# KiCad board leafony-az01c-panelized.kicad_pcb (continued)
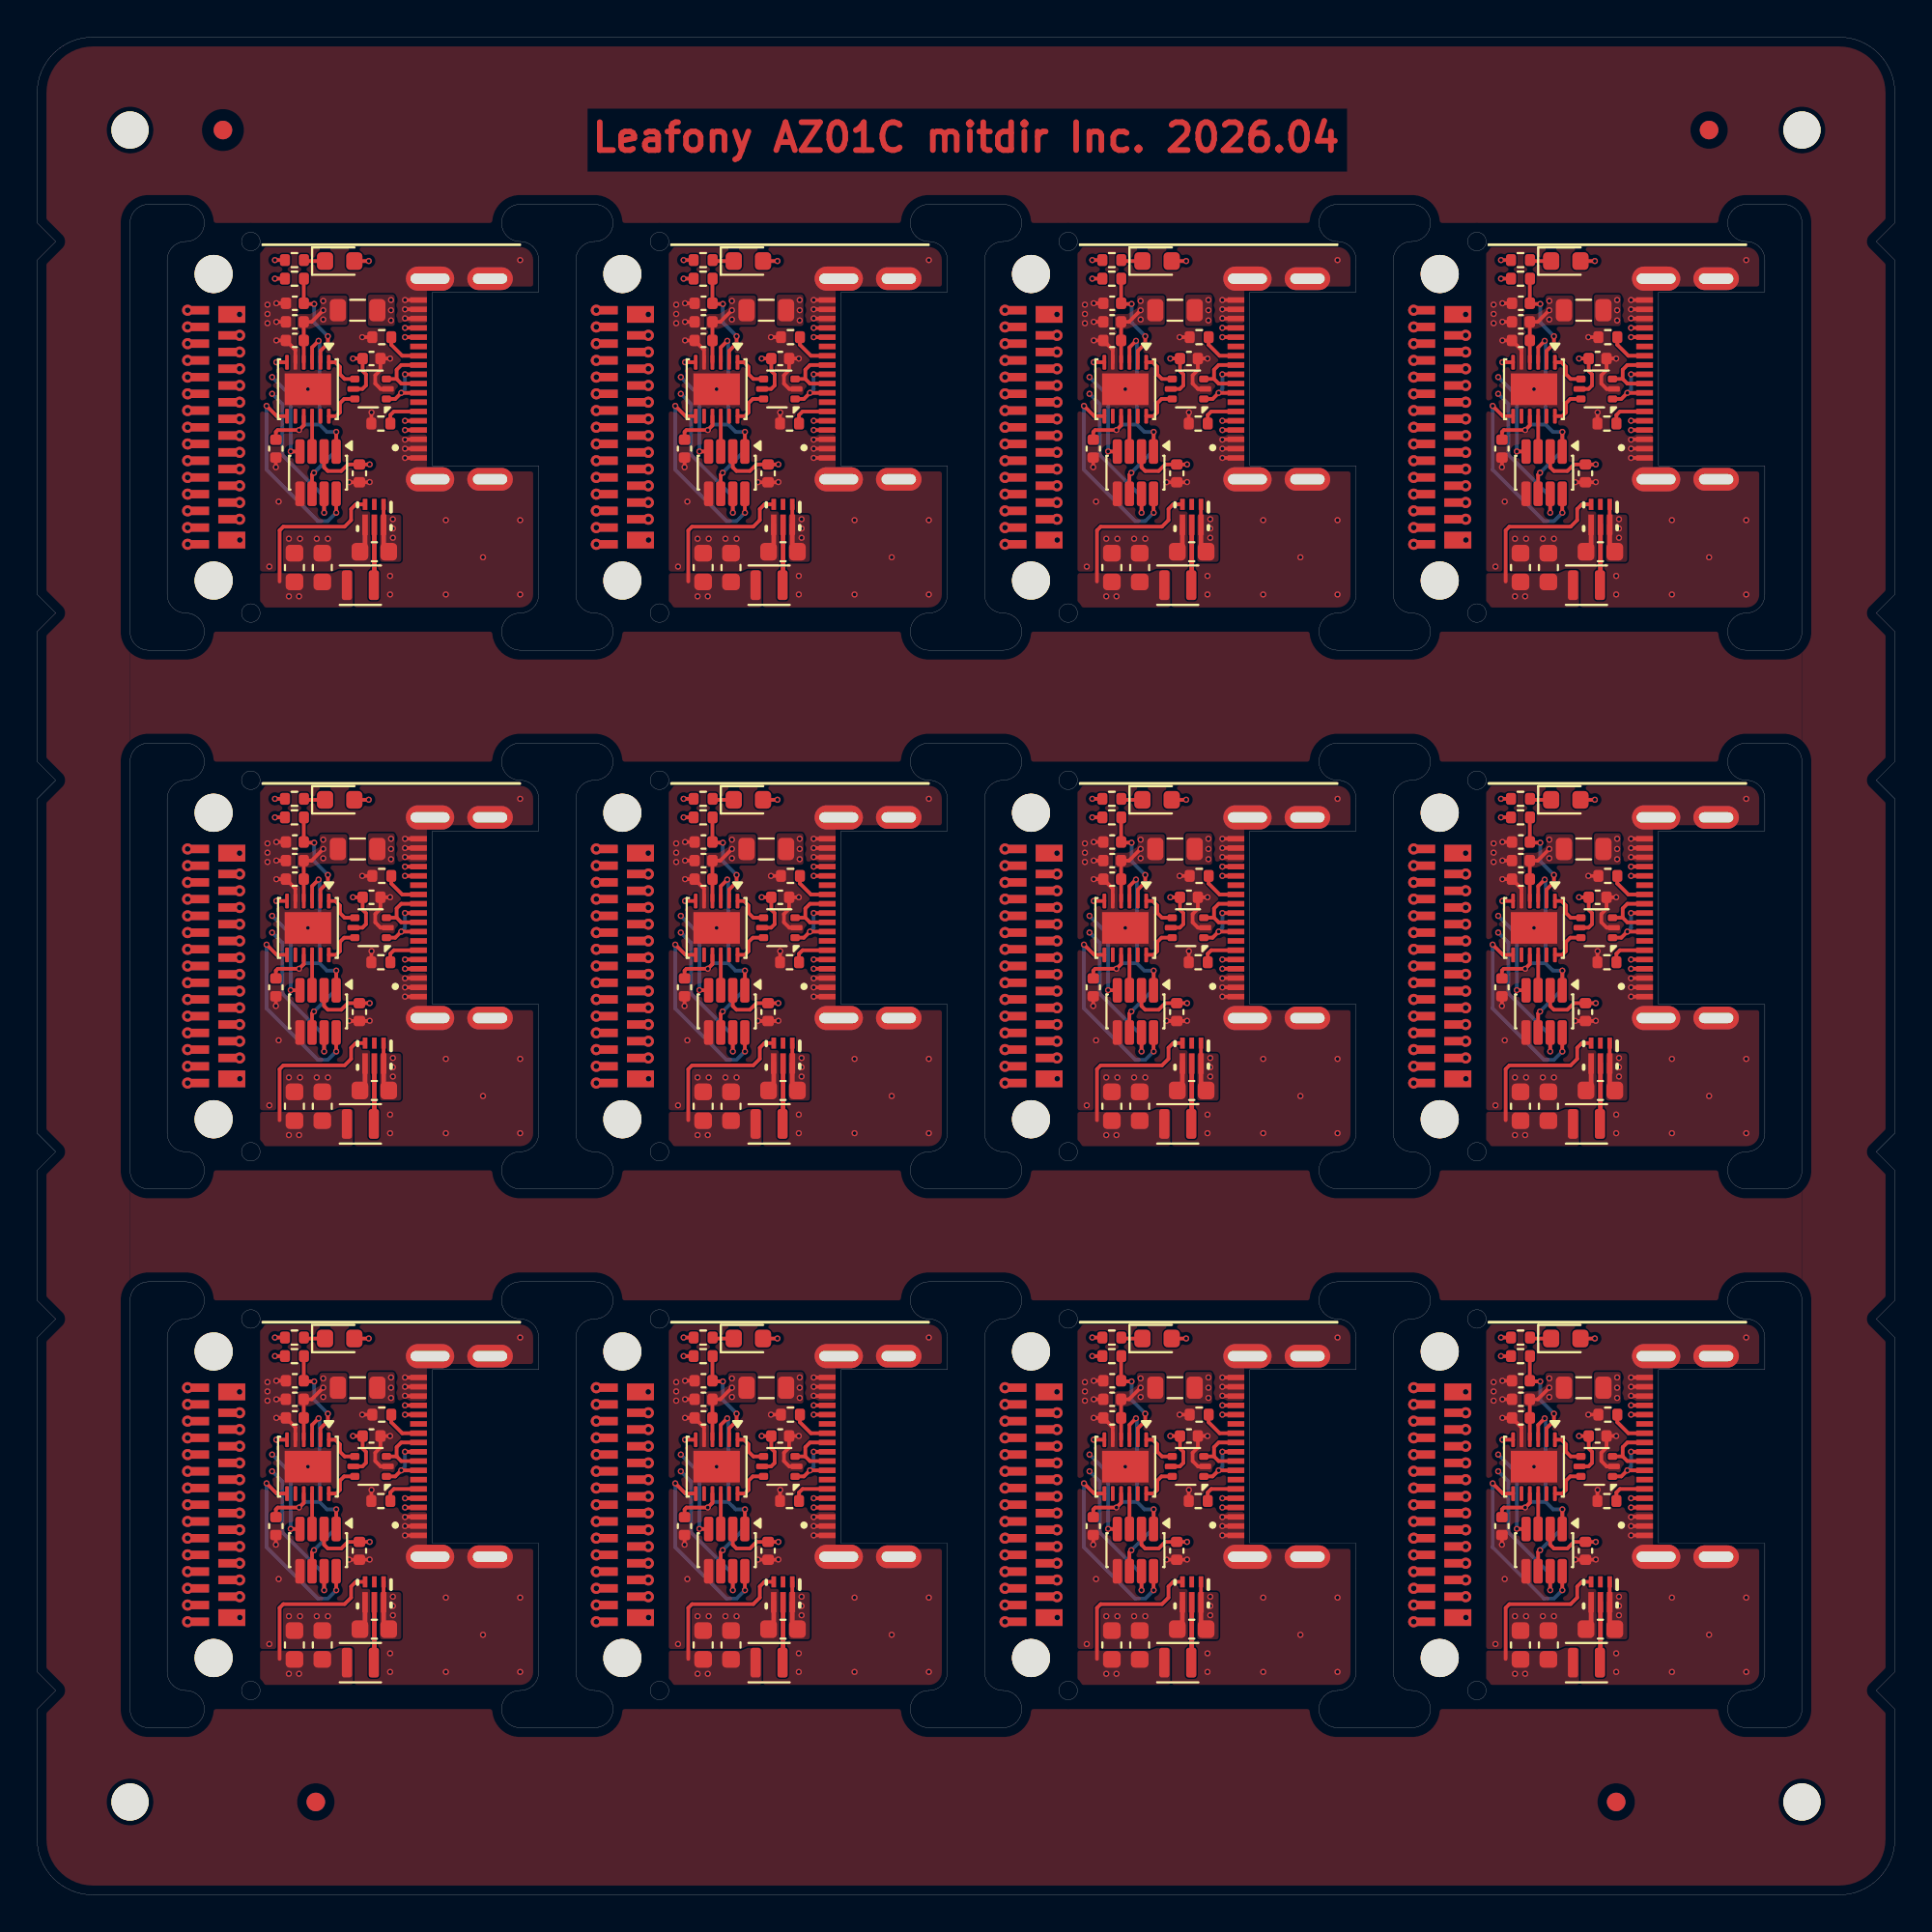
[diagram p0: board, top side]
## Routing (per net, layer and track width the routed paths; a pad name or vN(x,y) marks a point on that pad's centre or on a via; arc(x,y) is an arc through that point) (continued)
P3V3-FT234: length 187.2
  Top w0.2: v1(80.9,47.55) 80.8,47.45 U1#12.6 ; v1(58.9,47.55) 58.8,47.45 U1#7.6 ; v1(36.9,18.55) 36.8,18.45 U1#10.6 ; U3#10.3 36.8,83.3 v1(37.15,83.65) ; v1(81.15,25.65) 80.8,25.3 U3#6.3 ; C1#11.1 34.85,78.75 34.95,78.85 v1(36.1,78.85) 36.35,79.1 U3#10.9 ; C1#6.1 56.85,49.75 56.95,49.85 v1(58.1,49.85) 58.35,50.1 U3#7.9 ; C1#3.1 12.85,49.75 12.95,49.85 v1(14.1,49.85) 14.35,50.1 U3#12.9 ; U3#9.9 58.35,21.1 v1(58.1,20.85) 56.95,20.85 56.85,20.75 C1#12.1 ; U1#11.1 16.1,48.7 v1(16.1,49.75) ; U3#3.9 36.35,21.1 v1(36.1,20.85) 34.95,20.85 34.85,20.75 C1#4.1 ; v1(36.9,76.55) 36.8,76.45 U1#2.6 ; C1.1 12.85,20.75 12.95,20.85 v1(14.1,20.85) 14.35,21.1 U3#2.9 ; C1#7.1 78.85,20.75 78.95,20.85 v1(80.1,20.85) 80.35,21.1 U3#6.9 ; U3#4.9 58.35,79.1 v1(58.1,78.85) 56.95,78.85 56.85,78.75 C1#2.1 ; v1(37.15,54.65) 36.8,54.3 U3#8.3 ; v1(82.1,20.75) 82.1,19.7 U1.1 ; U1#4.1 38.1,48.7 v1(38.1,49.75) ; U3#4.3 58.8,83.3 v1(59.15,83.65) ; U1#10.1 38.1,19.7 v1(38.1,20.75) ; U1#12.1 82.1,48.7 v1(82.1,49.75) ; C1#10.1 34.85,49.75 34.95,49.85 v1(36.1,49.85) 36.35,50.1 U3#8.9 ; U1.6 80.8,18.45 v1(80.9,18.55) ; U1#4.6 36.8,47.45 v1(36.9,47.55) ; U1#6.1 60.1,19.7 v1(60.1,20.75) ; v1(59.15,54.65) 58.8,54.3 U3#7.3 ; v1(15.15,25.65) 14.8,25.3 U3#2.3 ; U3.9 80.35,50.1 v1(80.1,49.85) 78.95,49.85 78.85,49.75 C1#8.1 ; v1(82.1,78.75) 82.1,77.7 U1#5.1 ; v1(38.1,78.75) 38.1,77.7 U1#2.1 ; U1#9.1 16.1,77.7 v1(16.1,78.75) ; v1(60.1,78.75) 60.1,77.7 U1#8.1 ; v1(59.15,25.65) 58.8,25.3 U3#9.3 ; v1(81.15,54.65) 80.8,54.3 U3.3 ; v1(60.1,49.75) 60.1,48.7 U1#7.1 ; v1(15.15,83.65) 14.8,83.3 U3#5.3 ; U1#6.6 58.8,18.45 v1(58.9,18.55) ; U1#3.1 16.1,19.7 v1(16.1,20.75) ; U3#11.9 80.35,79.1 v1(80.1,78.85) 78.95,78.85 78.85,78.75 C1#9.1 ; v1(80.9,76.55) 80.8,76.45 U1#5.6 ; U1#11.6 14.8,47.45 v1(14.9,47.55) ; v1(14.9,76.55) 14.8,76.45 U1#9.6 ; C1#5.1 12.85,78.75 12.95,78.85 v1(14.1,78.85) 14.35,79.1 U3#5.9 ; v1(58.9,76.55) 58.8,76.45 U1#8.6 ; U3#3.3 36.8,25.3 v1(37.15,25.65) ; U3#11.3 80.8,83.3 v1(81.15,83.65) ; v1(15.15,54.65) 14.8,54.3 U3#12.3 ; v1(14.9,18.55) 14.8,18.45 U1#3.6
  Bottom w0.2: 15.2,79.15 15.2,83.6 v1(15.15,83.65) ; 15.2,79.15 14.4,79.15 v1(14.1,78.85) ; 15.2,79.15 15.6,78.75 v1(16.1,78.75) 16.1,77.75 v1(14.9,76.55) ; v1(37.15,54.65) 37.2,54.6 37.2,50.15 ; 59.2,50.15 59.6,49.75 v1(60.1,49.75) 60.1,48.75 v1(58.9,47.55) ; 59.2,50.15 59.2,54.6 v1(59.15,54.65) ; 59.2,50.15 58.4,50.15 v1(58.1,49.85) ; v1(14.1,49.85) 14.4,50.15 15.2,50.15 ; 81.2,21.15 81.6,20.75 v1(82.1,20.75) 82.1,19.75 v1(80.9,18.55) ; 81.2,21.15 80.4,21.15 v1(80.1,20.85) ; 81.2,21.15 81.2,25.6 v1(81.15,25.65) ; 37.2,50.15 36.4,50.15 v1(36.1,49.85) ; 37.2,50.15 37.6,49.75 v1(38.1,49.75) 38.1,48.75 v1(36.9,47.55) ; 59.2,79.15 58.4,79.15 v1(58.1,78.85) ; 59.2,79.15 59.6,78.75 v1(60.1,78.75) 60.1,77.75 v1(58.9,76.55) ; 59.2,79.15 59.2,83.6 v1(59.15,83.65) ; v1(81.15,54.65) 81.2,54.6 81.2,50.15 ; 15.2,50.15 15.2,54.6 v1(15.15,54.65) ; 15.2,50.15 15.6,49.75 v1(16.1,49.75) 16.1,48.75 v1(14.9,47.55) ; v1(37.15,25.65) 37.2,25.6 37.2,21.15 ; v1(36.9,76.55) 38.1,77.75 v1(38.1,78.75) 37.6,78.75 37.2,79.15 ; 59.2,21.15 59.6,20.75 v1(60.1,20.75) 60.1,19.75 v1(58.9,18.55) ; 59.2,21.15 58.4,21.15 v1(58.1,20.85) ; 59.2,21.15 59.2,25.6 v1(59.15,25.65) ; 37.2,79.15 36.4,79.15 v1(36.1,78.85) ; 37.2,79.15 37.2,83.6 v1(37.15,83.65) ; v1(80.9,76.55) 82.1,77.75 v1(82.1,78.75) 81.6,78.75 81.2,79.15 ; 37.2,21.15 36.4,21.15 v1(36.1,20.85) ; 37.2,21.15 37.6,20.75 v1(38.1,20.75) 38.1,19.75 v1(36.9,18.55) ; v1(80.1,49.85) 80.4,50.15 81.2,50.15 ; 81.2,50.15 81.6,49.75 v1(82.1,49.75) 82.1,48.75 v1(80.9,47.55) ; v1(15.15,25.65) 15.2,25.6 15.2,21.15 ; v1(80.1,78.85) 80.4,79.15 81.2,79.15 ; v1(14.1,20.85) 14.4,21.15 15.2,21.15 ; 81.2,79.15 81.2,83.6 v1(81.15,83.65) ; 15.2,21.15 15.6,20.75 v1(16.1,20.75) 16.1,19.75 v1(14.9,18.55)
VBUS: length 365.3
  Top w0.2: R1#2.1 v1(78.8,58) ; R1#11.1 v1(12.8,87) ; U2#12.5 39.51,52.06 39.7,52.25 39.7,52.85 39.52,53.03 C5#8.2 v1(39,53.7) ; D1#6.2 17.85,58.95 v1(17.85,58.95) ; U4#9.1 U4#9.6 ; v1(59.4,27.3) 58.78,26.67 C3#8.2 C2#7.1 U3#9.4 ; v1(17,53.7) C5#5.2 17.52,53.03 17.7,52.85 17.7,52.25 17.51,52.06 17.02,52.06 ; v1(61,24.7) C5#12.2 61.52,24.03 61.7,23.85 61.7,23.25 61.51,23.06 U2#10.5 ; R1#12.1 v1(34.8,29) ; U2#5.5 61.51,81.06 61.7,81.25 61.7,81.85 61.52,82.03 C5#4.2 v1(61,82.7) ; U4#11.1 U4#11.6 ; U4#10.1 U4#10.6 ; D1.2 61.85,29.95 v1(61.85,29.95) ; R1#6.1 v1(34.8,58) ; v1(39,24.7) C5#6.2 39.52,24.03 39.7,23.85 39.7,23.25 39.51,23.06 U2#6.5 ; U2#11.5 83.51,23.06 83.7,23.25 83.7,23.85 83.52,24.03 C5#7.2 v1(83,24.7) ; U4#2.1 U4#2.6 ; v1(61.85,87.95) 61.85,87.95 D1#11.2 ; D1#12.2 83.85,29.95 v1(83.85,29.95) ; U3#3.4 C2#8.1 C3#7.2 36.77,26.67 v1(37.4,27.3) ; U3#11.4 C2#10.1 C3#11.2 80.78,84.67 v1(81.4,85.3) ; U3#10.4 C2#11.1 C3#10.2 36.77,84.67 v1(37.4,85.3) ; v1(83.85,87.95) 83.85,87.95 D1#10.2 ; U4#4.1 U4#4.6 ; v1(15.4,27.3) 14.77,26.67 C3#2.2 C2#6.1 U3#2.4 ; v1(17.85,87.95) 17.85,87.95 D1#5.2 ; U2#2.5 39.51,81.06 39.7,81.25 39.7,81.85 39.52,82.03 C5#10.2 v1(39,82.7) ; 17.02,81.06 17.51,81.06 17.7,81.25 17.7,81.85 17.52,82.03 C5.2 v1(17,82.7) ; U3#8.4 C2#2.1 C3#4.2 36.77,55.67 v1(37.4,56.3) ; U4#3.1 U4#3.6 ; v1(39.85,87.95) 39.85,87.95 D1#7.2 ; R1#8.1 v1(12.8,29) ; D1#4.2 17.85,29.95 v1(17.85,29.95) ; U4.1 U4.6 ; v1(39.85,29.95) 39.85,29.95 D1#8.2 ; v1(61.85,58.95) 61.85,58.95 D1#2.2 ; R1#9.1 v1(56.8,29) ; U3#12.4 C2.1 C3.2 14.77,55.67 v1(15.4,56.3) ; v1(39.85,58.95) 39.85,58.95 D1#3.2 ; v1(83,53.7) C5#9.2 83.52,53.03 83.7,52.85 83.7,52.25 83.51,52.06 U2.5 ; v1(17,24.7) C5#2.2 17.52,24.03 17.7,23.85 17.7,23.25 17.51,23.06 17.02,23.06 ; v1(59.4,56.3) 58.78,55.67 C3#12.2 C2#3.1 U3#7.4 ; U3#5.4 C2#9.1 C3#6.2 14.77,84.67 v1(15.4,85.3) ; v1(83.85,58.95) 83.85,58.95 D1#9.2 ; R1#7.1 v1(56.8,58) ; U3#4.4 C2#5.1 C3#9.2 58.78,84.67 v1(59.4,85.3) ; U2#4.5 61.51,52.06 61.7,52.25 61.7,52.85 61.52,53.03 C5#3.2 v1(61,53.7) ; R1#4.1 v1(34.8,87) ; U4#12.1 U4#12.6 ; U4#6.1 U4#6.6 ; U3.4 C2#4.1 C3#5.2 80.78,55.67 v1(81.4,56.3) ; v1(83,82.7) C5#11.2 83.52,82.03 83.7,81.85 83.7,81.25 83.51,81.06 U2#8.5 ; U4#8.1 U4#8.6 ; R1#3.1 v1(56.8,87) ; U4#5.1 U4#5.6 ; R1.1 v1(78.8,87) ; U4#7.1 U4#7.6 ; v1(81.4,27.3) 80.78,26.67 C3#3.2 C2#12.1 U3#6.4 ; R1#10.1 v1(12.8,58) ; R1#5.1 v1(78.8,29)
  Top w0.254: U4#8.6 84.65,43.58 84.92,43.3 ; U4#7.6 18.65,14.58 C7#8.1 ; 62.92,72.3 62.65,72.58 U4#10.6 ; U4#9.6 62.65,43.58 62.92,43.3 ; 84.92,14.3 84.65,14.58 U4#6.6 ; C7#10.1 18.65,72.58 U4#4.6 ; U4.6 40.65,72.58 40.92,72.3 ; C7#4.1 18.65,43.58 U4#2.6 ; U4#12.6 62.65,14.58 62.92,14.3 ; 40.92,14.3 40.65,14.58 U4#11.6 ; U4#5.6 84.65,72.58 84.92,72.3 ; 40.92,43.3 40.65,43.58 U4#3.6
  In2.Cu w0.5: 39.05,50.45 41.15,48.35 v1(41.15,44.05) ; v2(10.9,45.05) 11.4,45.05 11.85,45.5 11.85,49.55 13.48,51.18 13.48,53.88 v1(15.4,55.8) ; 17.05,50.45 19.15,48.35 v1(19.15,44.05) ; v1(15.4,26.8) 13.48,24.88 13.48,22.18 11.85,20.55 11.85,16.5 11.4,16.05 v2(10.9,16.05) ; v1(81.4,55.8) 79.48,53.88 79.48,51.18 77.85,49.55 77.85,45.5 77.4,45.05 v2(76.9,45.05) ; v1(37.4,26.8) 35.48,24.88 35.48,22.18 33.85,20.55 33.85,16.5 33.4,16.05 v2(32.9,16.05) ; v1(63.15,15.05) 63.15,19.35 61.05,21.45 ; v1(59.4,55.8) 57.48,53.88 57.48,51.18 55.85,49.55 55.85,45.5 55.4,45.05 v2(54.9,45.05) ; 17.05,79.45 19.15,77.35 v1(19.15,73.05) ; v1(85.15,44.05) 85.15,48.35 83.05,50.45 ; 61.05,50.45 63.15,48.35 v1(63.15,44.05) ; v1(59.4,84.8) 57.48,82.88 57.48,80.18 55.85,78.55 55.85,74.5 55.4,74.05 v2(54.9,74.05) ; v1(19.15,15.05) 19.15,19.35 17.05,21.45 ; v1(81.4,26.8) 79.48,24.88 79.48,22.18 77.85,20.55 77.85,16.5 77.4,16.05 v2(76.9,16.05) ; v2(32.9,45.05) 33.4,45.05 33.85,45.5 33.85,49.55 35.48,51.18 35.48,53.88 v1(37.4,55.8) ; v2(10.9,74.05) 11.4,74.05 11.85,74.5 11.85,78.55 13.48,80.18 13.48,82.88 v1(15.4,84.8) ; 61.05,79.45 63.15,77.35 v1(63.15,73.05) ; v1(41.15,73.05) 41.15,77.35 39.05,79.45 ; v2(32.9,74.05) 33.4,74.05 33.85,74.5 33.85,78.55 35.48,80.18 35.48,82.88 v1(37.4,84.8) ; v2(76.9,74.05) 77.4,74.05 77.85,74.5 77.85,78.55 79.48,80.18 79.48,82.88 v1(81.4,84.8) ; v1(85.15,73.05) 85.15,77.35 83.05,79.45 ; 39.05,21.45 41.15,19.35 v1(41.15,15.05) ; v2(54.9,16.05) 55.4,16.05 55.85,16.5 55.85,20.55 57.48,22.18 57.48,24.88 v1(59.4,26.8) ; 83.05,21.45 85.15,19.35 v1(85.15,15.05)
  vias: v1(15.4,85.8) v1(15.4,56.8) v1(15.4,27.8) v1(19.15,74.05) v1(19.15,73.55) v1(19.15,45.05) v1(19.15,44.55) v1(19.15,16.05) v1(19.15,15.55) v1(37.4,85.8) v1(37.4,56.8) v1(37.4,27.8) v1(41.15,74.05) v1(41.15,73.55) v1(41.15,45.05) v1(41.15,44.55) v1(41.15,16.05) v1(41.15,15.55) v1(59.4,85.8) v1(59.4,56.8) v1(59.4,27.8) v1(63.15,74.05) v1(63.15,73.55) v1(63.15,45.05) v1(63.15,44.55) v1(63.15,16.05) v1(63.15,15.55) v1(81.4,85.8) v1(81.4,56.8) v1(81.4,27.8) v1(85.15,74.05) v1(85.15,73.55) v1(85.15,45.05) v1(85.15,44.55) v1(85.15,16.05) v1(85.15,15.55)
/D0: length 162
  Top w0.2: v1(81.45,74.4) 81.45,74.4 U1#5.7 ; v1(15.45,74.4) 15.45,74.4 U1#9.7 ; U1#10.7 37.45,16.4 v1(37.45,16.4) ; U1#12.7 81.45,45.4 v1(81.45,45.4) ; v1(59.45,45.4) 59.45,45.4 U1#7.7 ; U1#6.7 59.45,16.4 v1(59.45,16.4) ; v1(37.45,45.4) 37.45,45.4 U1#4.7 ; U1.7 81.45,16.4 v1(81.45,16.4) ; U1#2.7 37.45,74.4 v1(37.45,74.4) ; v1(15.45,16.4) 15.45,16.4 U1#3.7 ; U1#11.7 15.45,45.4 v1(15.45,45.4) ; v1(59.45,74.4) 59.45,74.4 U1#8.7
  In2.Cu w0.1: v2(74.1,50.9) 75,51.8 v1(78.65,51.8) ; v2(74.1,21.9) 75,22.8 v1(78.65,22.8) ; v1(56.65,22.8) 53,22.8 v2(52.1,21.9) ; v2(8.1,50.9) 9,51.8 v1(12.65,51.8) ; v1(78.65,80.8) 75,80.8 v2(74.1,79.9) ; v2(30.1,21.9) 31,22.8 v1(34.65,22.8) ; v1(34.65,80.8) 31,80.8 v2(30.1,79.9) ; v1(56.65,51.8) 53,51.8 v2(52.1,50.9) ; v1(56.65,80.8) 53,80.8 v2(52.1,79.9) ; v1(34.65,51.8) 31,51.8 v2(30.1,50.9) ; v1(12.65,22.8) 9,22.8 v2(8.1,21.9) ; v2(8.1,79.9) 9,80.8 v1(12.65,80.8)
  Bottom w0.2: v1(81.45,45.4) 81.45,46.26 79.2,48.51 79.2,51.25 v1(78.65,51.8) ; v1(12.65,80.8) 13.2,80.25 13.2,77.51 15.45,75.26 v1(15.45,74.4) ; v1(37.45,16.4) 37.45,17.26 35.2,19.51 35.2,22.25 v1(34.65,22.8) ; v1(37.45,74.4) 37.45,75.26 35.2,77.51 35.2,80.25 v1(34.65,80.8) ; v1(15.45,16.4) 15.45,17.26 13.2,19.51 13.2,22.25 v1(12.65,22.8) ; v1(81.45,16.4) 81.45,17.26 79.2,19.51 79.2,22.25 v1(78.65,22.8) ; v1(56.65,80.8) 57.2,80.25 57.2,77.51 59.45,75.26 v1(59.45,74.4) ; v1(56.65,22.8) 57.2,22.25 57.2,19.51 59.45,17.26 v1(59.45,16.4) ; v1(15.45,45.4) 15.45,46.26 13.2,48.51 13.2,51.25 v1(12.65,51.8) ; v1(34.65,51.8) 35.2,51.25 35.2,48.51 37.45,46.26 v1(37.45,45.4) ; v1(59.45,45.4) 59.45,46.26 57.2,48.51 57.2,51.25 v1(56.65,51.8) ; v1(81.45,74.4) 81.45,75.26 79.2,77.51 79.2,80.25 v1(78.65,80.8)
/D1: length 118
  Top w0.2: v1(13.65,48.7) 13.66,48.69 U1#11.4 ; U1#6.4 57.66,19.69 v1(57.65,19.7) ; v1(13.65,77.7) 13.66,77.69 U1#9.4 ; v1(13.65,19.7) 13.66,19.69 U1#3.4 ; v1(79.65,19.7) 79.66,19.69 U1.4 ; v1(35.65,48.7) 35.66,48.69 U1#4.4 ; v1(79.65,48.7) 79.66,48.69 U1#12.4 ; v1(57.65,77.7) 57.66,77.69 U1#8.4 ; U1#2.4 35.66,77.69 v1(35.65,77.7) ; v1(35.65,19.7) 35.66,19.69 U1#10.4 ; v1(79.65,77.7) 79.66,77.69 U1#5.4 ; v1(57.65,48.7) 57.66,48.69 U1#7.4
  In2.Cu w0.1: v1(34.65,23.7) 31,23.7 v2(30.1,22.8) ; v2(8.1,51.8) 9,52.7 v1(12.65,52.7) ; v1(56.65,52.7) 53,52.7 v2(52.1,51.8) ; v2(8.1,22.8) 9,23.7 v1(12.65,23.7) ; v2(74.1,51.8) 75,52.7 v1(78.65,52.7) ; v1(56.65,81.7) 53,81.7 v2(52.1,80.8) ; v2(8.1,80.8) 9,81.7 v1(12.65,81.7) ; v1(34.65,81.7) 31,81.7 v2(30.1,80.8) ; v2(74.1,22.8) 75,23.7 v1(78.65,23.7) ; v1(78.65,81.7) 75,81.7 v2(74.1,80.8) ; v2(52.1,22.8) 53,23.7 v1(56.65,23.7) ; v2(30.1,51.8) 31,52.7 v1(34.65,52.7)
  Bottom w0.2: v1(56.65,81.7) 57.65,80.7 v1(57.65,77.7) ; v1(56.65,52.7) 57.65,51.7 v1(57.65,48.7) ; v1(12.65,52.7) 13.65,51.7 v1(13.65,48.7) ; v1(78.65,81.7) 79.65,80.7 v1(79.65,77.7) ; v1(57.65,19.7) 57.65,22.7 v1(56.65,23.7) ; v1(13.65,19.7) 13.65,22.7 v1(12.65,23.7) ; v1(79.65,48.7) 79.65,51.7 v1(78.65,52.7) ; v1(34.65,81.7) 35.65,80.7 v1(35.65,77.7) ; v1(35.65,48.7) 35.65,51.7 v1(34.65,52.7) ; v1(78.65,23.7) 79.65,22.7 v1(79.65,19.7) ; v1(35.65,19.7) 35.65,22.7 v1(34.65,23.7) ; v1(13.65,77.7) 13.65,80.7 v1(12.65,81.7)
/D+: length 44.1
  Top w0.2: U2#9.1 19.27,80.53 v1(19.6,80.85) J1#9.A6 ; J1.B6 v1(19.8,23.85) ; J1#7.A6 v1(41.6,51.85) 41.28,51.53 U2#12.1 ; J1#5.A6 v1(63.6,80.85) 63.28,80.53 U2#5.1 ; U2#6.1 41.28,22.53 v1(41.6,22.85) J1#11.A6 ; J1#10.A6 v1(41.6,80.85) 41.28,80.53 U2#2.1 ; U2#4.1 63.28,51.53 v1(63.6,51.85) J1#8.A6 ; J1#2.A6 v1(85.6,22.85) 85.28,22.53 U2#11.1 ; J1#5.B6 v1(63.8,81.85) ; J1#3.B6 v1(85.8,81.85) ; J1.A6 v1(19.6,22.85) 19.27,22.53 U2#7.1 ; J1#4.B6 v1(19.8,52.85) ; J1#6.B6 v1(85.8,52.85) ; J1#10.B6 v1(41.8,81.85) ; J1#3.A6 v1(85.6,80.85) 85.28,80.53 U2#8.1 ; J1#4.A6 v1(19.6,51.85) 19.27,51.53 U2#3.1 ; J1#12.B6 v1(63.8,23.85) ; U2.1 85.28,51.53 v1(85.6,51.85) J1#6.A6 ; U2#10.1 63.28,22.53 v1(63.6,22.85) J1#12.A6 ; J1#9.B6 v1(19.8,81.85) ; J1#2.B6 v1(85.8,23.85) ; J1#7.B6 v1(41.8,52.85) ; J1#11.B6 v1(41.8,23.85) ; J1#8.B6 v1(63.8,52.85)
  Bottom w0.2: v1(85.6,51.85) 85.8,52.05 v1(85.8,52.85) ; v1(85.8,81.85) 85.8,81.05 v1(85.6,80.85) ; v1(63.6,22.85) 63.8,23.05 v1(63.8,23.85) ; v1(41.6,51.85) 41.8,52.05 v1(41.8,52.85) ; v1(63.6,80.85) 63.8,81.05 v1(63.8,81.85) ; v1(41.6,80.85) 41.8,81.05 v1(41.8,81.85) ; v1(19.6,80.85) 19.8,81.05 v1(19.8,81.85) ; v1(63.8,52.85) 63.8,52.05 v1(63.6,51.85) ; v1(19.8,23.85) 19.8,23.05 v1(19.6,22.85) ; v1(41.6,22.85) 41.8,23.05 v1(41.8,23.85) ; v1(19.8,52.85) 19.8,52.05 v1(19.6,51.85) ; v1(85.6,22.85) 85.8,23.05 v1(85.8,23.85)
/D-: length 43.4
  Top w0.2: 41.35,81.6 U2#2.3 ; 41.35,81.6 41.35,82.1 41.6,82.35 J1#10.A7 ; 41.35,81.6 41.6,81.35 J1#10.B7 ; 63.35,23.6 63.6,23.35 J1#12.B7 ; 63.35,23.6 U2#10.3 ; 63.35,23.6 63.35,24.1 63.6,24.35 J1#12.A7 ; J1#5.B7 63.6,81.35 63.35,81.6 ; 19.35,23.6 19.35,24.1 19.6,24.35 J1.A7 ; 19.35,23.6 19.6,23.35 J1.B7 ; 19.35,23.6 U2#7.3 ; J1#11.B7 41.6,23.35 41.35,23.6 ; 19.35,52.6 19.6,52.35 J1#4.B7 ; 19.35,52.6 U2#3.3 ; 19.35,52.6 19.35,53.1 19.6,53.35 J1#4.A7 ; J1#8.B7 63.6,52.35 63.35,52.6 ; J1#7.B7 41.6,52.35 41.35,52.6 ; 41.35,52.6 41.35,53.1 41.6,53.35 J1#7.A7 ; 41.35,52.6 U2#12.3 ; 63.35,52.6 63.35,53.1 63.6,53.35 J1#8.A7 ; 63.35,52.6 U2#4.3 ; 19.35,81.6 U2#9.3 ; 19.35,81.6 19.6,81.35 J1#9.B7 ; 19.35,81.6 19.35,82.1 19.6,82.35 J1#9.A7 ; J1#2.A7 85.6,24.35 85.35,24.1 85.35,23.6 ; 63.35,81.6 63.35,82.1 63.6,82.35 J1#5.A7 ; 63.35,81.6 U2#5.3 ; J1#3.A7 85.6,82.35 85.35,82.1 85.35,81.6 ; J1#2.B7 85.6,23.35 85.35,23.6 ; 85.35,81.6 U2#8.3 ; 85.35,81.6 85.6,81.35 J1#3.B7 ; J1#11.A7 41.6,24.35 41.35,24.1 41.35,23.6 ; 85.35,23.6 U2#11.3 ; 85.35,52.6 85.6,52.35 J1#6.B7 ; 85.35,52.6 85.35,53.1 85.6,53.35 J1#6.A7 ; 85.35,52.6 U2.3 ; 41.35,23.6 U2#6.3
Net-(CN1-A0-PadB6):
  vias: v2(8.1,74.5) v2(8.1,45.5) v2(8.1,16.5) v2(30.1,74.5) v2(30.1,45.5) v2(30.1,16.5) v2(52.1,74.5) v2(52.1,45.5) v2(52.1,16.5) v2(74.1,74.5) v2(74.1,45.5) v2(74.1,16.5)
Net-(CN1-A1-PadB8):
  vias: v2(8.1,75.4) v2(8.1,46.4) v2(8.1,17.4) v2(30.1,75.4) v2(30.1,46.4) v2(30.1,17.4) v2(52.1,75.4) v2(52.1,46.4) v2(52.1,17.4) v2(74.1,75.4) v2(74.1,46.4) v2(74.1,17.4)
Net-(CN1-A2-PadB10):
  vias: v2(8.1,76.3) v2(8.1,47.3) v2(8.1,18.3) v2(30.1,76.3) v2(30.1,47.3) v2(30.1,18.3) v2(52.1,76.3) v2(52.1,47.3) v2(52.1,18.3) v2(74.1,76.3) v2(74.1,47.3) v2(74.1,18.3)
Net-(CN1-A3-PadB12):
  vias: v2(8.1,77.2) v2(8.1,48.2) v2(8.1,19.2) v2(30.1,77.2) v2(30.1,48.2) v2(30.1,19.2) v2(52.1,77.2) v2(52.1,48.2) v2(52.1,19.2) v2(74.1,77.2) v2(74.1,48.2) v2(74.1,19.2)
Net-(CN1-A4-PadB14):
  vias: v2(8.1,78.1) v2(8.1,49.1) v2(8.1,20.1) v2(30.1,78.1) v2(30.1,49.1) v2(30.1,20.1) v2(52.1,78.1) v2(52.1,49.1) v2(52.1,20.1) v2(74.1,78.1) v2(74.1,49.1) v2(74.1,20.1)
Net-(CN1-A5-PadB16):
  vias: v2(8.1,79) v2(8.1,50) v2(8.1,21) v2(30.1,79) v2(30.1,50) v2(30.1,21) v2(52.1,79) v2(52.1,50) v2(52.1,21) v2(74.1,79) v2(74.1,50) v2(74.1,21)
Net-(CN1-AREF-PadB4):
  vias: v2(8.1,73.6) v2(8.1,44.6) v2(8.1,15.6) v2(30.1,73.6) v2(30.1,44.6) v2(30.1,15.6) v2(52.1,73.6) v2(52.1,44.6) v2(52.1,15.6) v2(74.1,73.6) v2(74.1,44.6) v2(74.1,15.6)
Net-(CN1-D2-PadB22):
  vias: v2(8.1,81.7) v2(8.1,52.7) v2(8.1,23.7) v2(30.1,81.7) v2(30.1,52.7) v2(30.1,23.7) v2(52.1,81.7) v2(52.1,52.7) v2(52.1,23.7) v2(74.1,81.7) v2(74.1,52.7) v2(74.1,23.7)
Net-(CN1-D3-PadB24):
  vias: v2(8.1,82.6) v2(8.1,53.6) v2(8.1,24.6) v2(30.1,82.6) v2(30.1,53.6) v2(30.1,24.6) v2(52.1,82.6) v2(52.1,53.6) v2(52.1,24.6) v2(74.1,82.6) v2(74.1,53.6) v2(74.1,24.6)
Net-(CN1-D4-PadB26):
  vias: v2(8.1,83.5) v2(8.1,54.5) v2(8.1,25.5) v2(30.1,83.5) v2(30.1,54.5) v2(30.1,25.5) v2(52.1,83.5) v2(52.1,54.5) v2(52.1,25.5) v2(74.1,83.5) v2(74.1,54.5) v2(74.1,25.5)
Net-(CN1-D5-PadB28):
  vias: v2(8.1,84.4) v2(8.1,55.4) v2(8.1,26.4) v2(30.1,84.4) v2(30.1,55.4) v2(30.1,26.4) v2(52.1,84.4) v2(52.1,55.4) v2(52.1,26.4) v2(74.1,84.4) v2(74.1,55.4) v2(74.1,26.4)
Net-(CN1-D6-PadB7):
  vias: v2(10.9,75.85) v2(10.9,46.85) v2(10.9,17.85) v2(32.9,75.85) v2(32.9,46.85) v2(32.9,17.85) v2(54.9,75.85) v2(54.9,46.85) v2(54.9,17.85) v2(76.9,75.85) v2(76.9,46.85) v2(76.9,17.85)
Net-(CN1-D7-PadB9):
  vias: v2(10.9,76.75) v2(10.9,47.75) v2(10.9,18.75) v2(32.9,76.75) v2(32.9,47.75) v2(32.9,18.75) v2(54.9,76.75) v2(54.9,47.75) v2(54.9,18.75) v2(76.9,76.75) v2(76.9,47.75) v2(76.9,18.75)
Net-(CN1-D8-PadB11):
  vias: v2(10.9,77.65) v2(10.9,48.65) v2(10.9,19.65) v2(32.9,77.65) v2(32.9,48.65) v2(32.9,19.65) v2(54.9,77.65) v2(54.9,48.65) v2(54.9,19.65) v2(76.9,77.65) v2(76.9,48.65) v2(76.9,19.65)
Net-(CN1-D9-PadB13):
  vias: v2(10.9,78.55) v2(10.9,49.55) v2(10.9,20.55) v2(32.9,78.55) v2(32.9,49.55) v2(32.9,20.55) v2(54.9,78.55) v2(54.9,49.55) v2(54.9,20.55) v2(76.9,78.55) v2(76.9,49.55) v2(76.9,20.55)
Net-(CN1-D10-PadB15):
  vias: v2(10.9,79.45) v2(10.9,50.45) v2(10.9,21.45) v2(32.9,79.45) v2(32.9,50.45) v2(32.9,21.45) v2(54.9,79.45) v2(54.9,50.45) v2(54.9,21.45) v2(76.9,79.45) v2(76.9,50.45) v2(76.9,21.45)
Net-(CN1-D11-PadB17):
  vias: v2(10.9,80.35) v2(10.9,51.35) v2(10.9,22.35) v2(32.9,80.35) v2(32.9,51.35) v2(32.9,22.35) v2(54.9,80.35) v2(54.9,51.35) v2(54.9,22.35) v2(76.9,80.35) v2(76.9,51.35) v2(76.9,22.35)
Net-(CN1-D12-PadB19):
  vias: v2(10.9,81.25) v2(10.9,52.25) v2(10.9,23.25) v2(32.9,81.25) v2(32.9,52.25) v2(32.9,23.25) v2(54.9,81.25) v2(54.9,52.25) v2(54.9,23.25) v2(76.9,81.25) v2(76.9,52.25) v2(76.9,23.25)
Net-(CN1-D13-PadB21):
  vias: v2(10.9,82.15) v2(10.9,53.15) v2(10.9,24.15) v2(32.9,82.15) v2(32.9,53.15) v2(32.9,24.15) v2(54.9,82.15) v2(54.9,53.15) v2(54.9,24.15) v2(76.9,82.15) v2(76.9,53.15) v2(76.9,24.15)
Net-(CN1-RESET-PadB5):
  vias: v2(10.9,74.95) v2(10.9,45.95) v2(10.9,16.95) v2(32.9,74.95) v2(32.9,45.95) v2(32.9,16.95) v2(54.9,74.95) v2(54.9,45.95) v2(54.9,16.95) v2(76.9,74.95) v2(76.9,45.95) v2(76.9,16.95)